# Altium PCB RK_NVR_DEMO1_RK3588_LP4XD200P232SD8_V21_20211228_final_lint.PcbDoc (part 3 of 29) (continued)
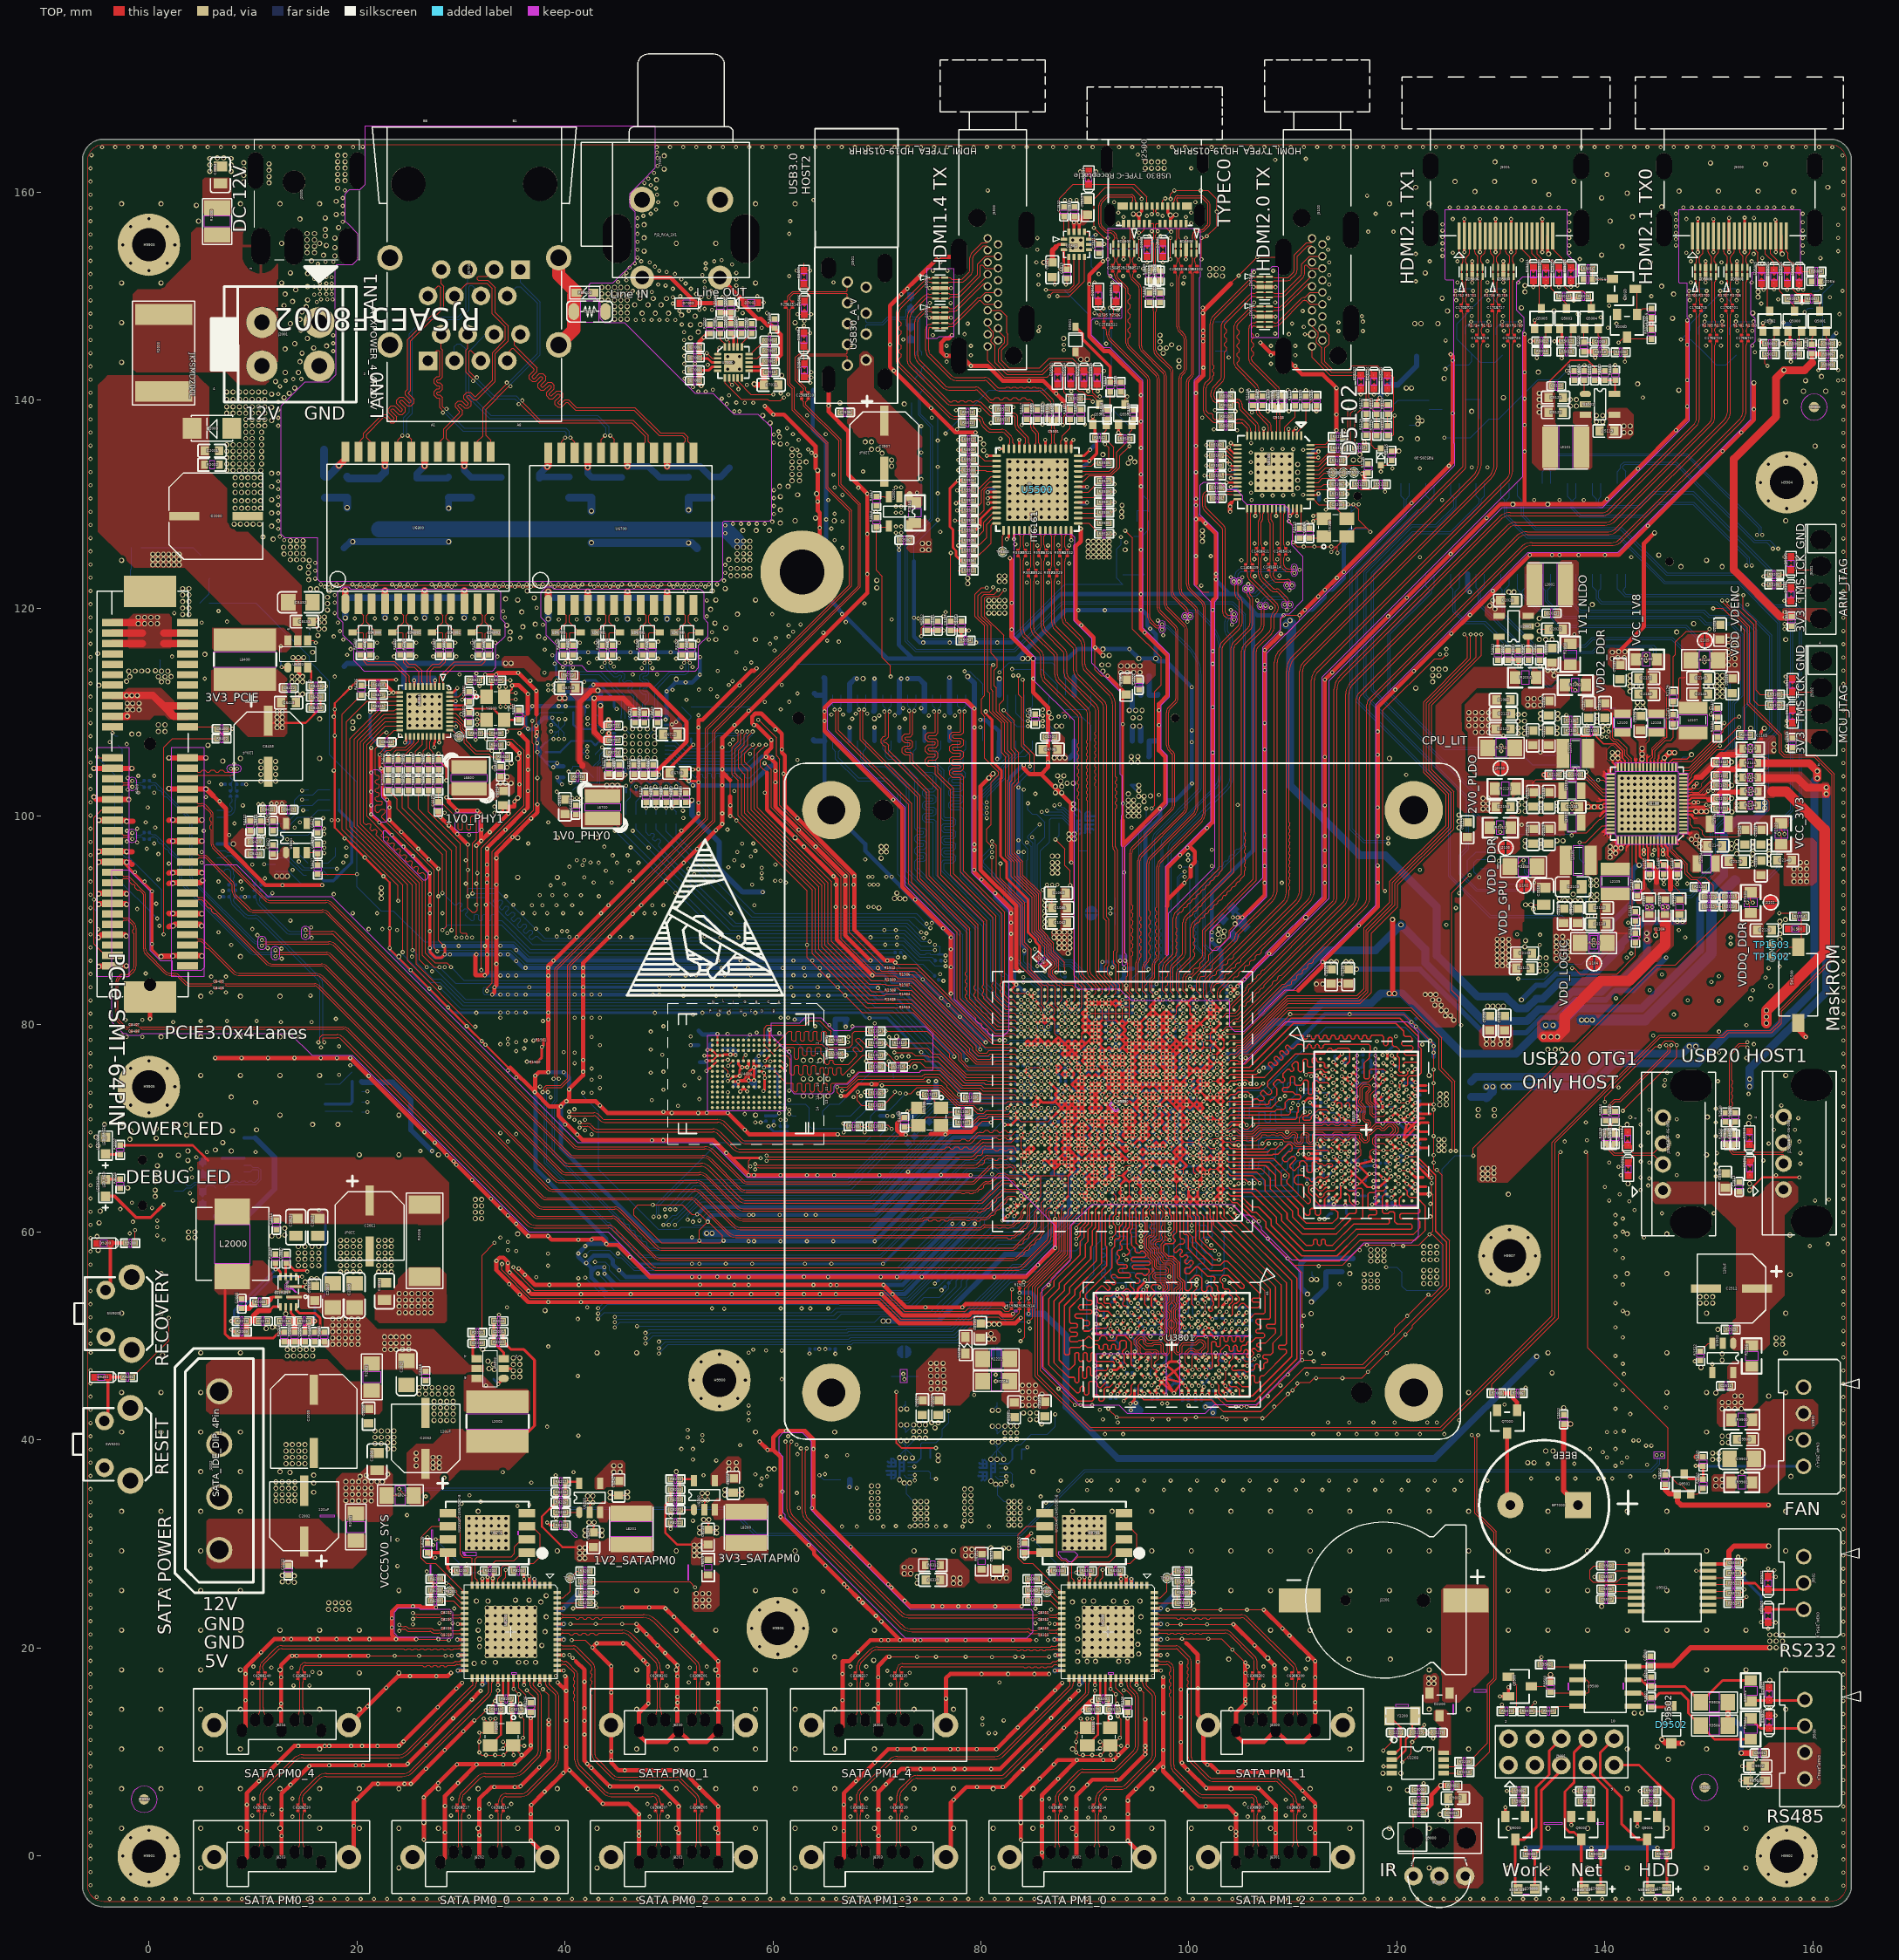
[diagram p0: TOP view]
## Components (designator, comment, footprint, x,y, rotation, side; value= is the part's Value field where it differs from the comment) (continued)
R8300 "RESISTOR_R0402_100K" R0402#1 99.364,25.345 r180 top
R8301 "RESISTOR_R0402_0R" R0402#1 99.364,26.374 r180 top
R8302 "RESISTOR_R0402_4.7K" R0402#1 99.364,27.403 r180 top
R8303 "RESISTOR_R0402_10K" R0402#1 90.187,27.42 r180 top
R8304 "RESISTOR_R0402_10K" R0402#1 92.93,27.42 r180 top
R8305 "RESISTOR_R0402_10K" R0402#1 87.444,27.42 r0 top
R8306 "RESISTOR_R0402_12K" R0402#1 94.124,14.288 r270 top
R8307 "RESISTOR_R0402_1M" R0402#1 91.751,15.092 r180 top
R8308 "RESISTOR_R0402_4.7K" R0402#1 84.951,26.632 r0 top
R8309 "RESISTOR_R0402_4.7K" R0402#1 84.951,25.557 r0 top
R8310 "RESISTOR_R0402_0R" R0402#1 84.951,24.541 r0 top
R8311 "RESISTOR_R0603_0R" R0603 80.068,28.302 r270 top
R8312 "RESISTOR_R0603_0R" R0603 75.379,27.978 r0 top
R8400 "RESISTOR_R0402_22R" R0402#6 85.843,86.094 r225 bottom
R8401 "RESISTOR_R0402_22R" R0402#3 -2.98,107.277 r270 bottom
R8402 "RESISTOR_R0402_22R" R0402#1 6.995,107.455 r0 top
R8403 "RESISTOR_R0402_22R" R0402#3 -4.987,90.361 r270 bottom
R8404 "RESISTOR_R0201_33R" R0201#1 7.843,102.172 r270 bottom
R8405 "RESISTOR_R0201_33R" R0201#1 8.453,102.172 r270 bottom
R8406 "RESISTOR_R0201_49.9R" R0201#2 8.707,103.061 r0 bottom
R8407 "RESISTOR_R0201_49.9R" R0201#2 7.589,103.061 r180 bottom
R8408 "RESISTOR_R0402_10K" R0402#1 17.848,100.563 r180 bottom
R8409 "RESISTOR_R0402_10K" R0402#1 15.821,100.563 r180 bottom
R8410 "RESISTOR_R0402_10K" R0402#1 17.848,102.553 r180 bottom
R8411 "RESISTOR_R0402_10K" R0402#1 15.821,102.553 r180 bottom
R8412 "RESISTOR_R0402_10K" R0402#1 17.848,101.588 r180 bottom
R8413 "RESISTOR_R0402_10K" R0402#1 15.821,101.588 r180 bottom
R8414 "RESISTOR_R0402_22R" R0402#1 15.714,95.498 r180 bottom
R8415 "RESISTOR_R0201_33R" R0201#1 10.786,93.129 r90 bottom
R8416 "RESISTOR_R0201_33R" R0201#1 10.151,93.129 r90 bottom
R8417 "RESISTOR_R0402_10K" R0402#1 15.612,94.319 r180 bottom
R8418 "RESISTOR_R0201_49.9R" R0201#2 9.897,92.24 r180 bottom
R8419 "RESISTOR_R0201_49.9R" R0201#2 11.04,92.24 r0 bottom
R8420 "RESISTOR_R0402_4.7K" R0402#1 17.649,94.319 r180 bottom
R8421 "RESISTOR_R0402_470R" R0402#1 15.612,93.269 r0 bottom
R8422 "RESISTOR_R0402_2.2R" R0402#1 9.729,99.066 r270 top
R8423 "RESISTOR_R0201_33R" R0201#1 8.332,93.129 r90 bottom
R8424 "RESISTOR_R0201_33R" R0201#1 7.697,93.129 r90 bottom
R8425 "RESISTOR_R0201_49.9R" R0201#2 7.443,92.24 r180 bottom
R8426 "RESISTOR_R0201_49.9R" R0201#2 8.586,92.24 r0 bottom
R8427 "RESISTOR_R0402_100K" R0402#1 16.246,94.857 r90 top
R8428 "RESISTOR_R0402_100K" R0402#1 -1.21,124.786 r180 bottom
R8429 "RESISTOR_R0402_10K" R0402#1 14.927,116.574 r0 bottom
R8430 "RESISTOR_R0402_232K" R0402#1 16.056,111.46 r180 top
R8431 "RESISTOR_R0402_DNP" R0402#3 15.435,118.098 r270 bottom
R8432 "RESISTOR_R0402_10K" R0402#1 -1.211,125.805 r0 bottom
R8433 "RESISTOR_R0402_49.9K" R0402#1 16.056,112.493 r0 top
R8434 "RESISTOR_R0402_10K" R0402#1 5.357,120.494 r180 bottom
R8435 "RESISTOR_R0402_51K" R0402#1 5.357,121.542 r180 bottom
R9000 "RESISTOR_R0402_10K" R0402#1 122.112,4.214 r180 top
R9001 "RESISTOR_R0402_22R" R0402#1 122.112,5.313 r180 top
R9002 "RESISTOR_R0402_22R" R0402#1 125.34,6.785 r0 top
R9003 "RESISTOR_R0402_1K" R0402#1 132.802,0.171 r0 top
R9004 "RESISTOR_R0402_1K" R0402#1 145.502,0.171 r0 top
R9005 "RESISTOR_R0402_1K" R0402#1 139.152,0.171 r0 top
R9006 "RESISTOR_R0402_10K" R0402#1 131.741,6.261 r0 top
R9007 "RESISTOR_R0402_10K" R0402#1 144.441,6.261 r0 top
R9008 "RESISTOR_R0402_10K" R0402#1 138.091,6.261 r0 top
R9009 "RESISTOR_R0402_51K" R0402#1 131.741,5.245 r180 top
R9010 "RESISTOR_R0402_51K" R0402#1 144.441,5.245 r180 top
R9011 "RESISTOR_R0402_51K" R0402#1 138.091,5.245 r180 top
R9100 "RESISTOR_R0402_0R" R0402#1 20.007,75.426 r180 bottom
R9101 "RESISTOR_R0402_0R" R0402#1 20.004,71.565 r180 bottom
R9102 "RESISTOR_R0402_0R" R0402#1 20.004,74.473 r180 bottom
R9103 "RESISTOR_R0402_2.2K" R0402#1 -2.752,64.656 r270 top
R9104 "RESISTOR_R0402_22R" R0402#1 6.884,64.259 r180 bottom
R9105 "RESISTOR_R0402_22R" R0402#1 6.884,65.148 r180 bottom
R9106 "RESISTOR_R0402_22R" R0402#1 156.283,122.253 r0 top
R9107 "RESISTOR_R0402_22R" R0402#1 156.283,123.237 r0 top
R9108 "RESISTOR_R0402_22R" R0402#1 156.359,110.664 r0 top
R9109 "RESISTOR_R0402_22R" R0402#1 156.359,111.712 r0 top
R9200 "RESISTOR_R0402_100R" R0402#1 -1.808,58.931 r180 top
R9201 "RESISTOR_R0402_100R" R0402#1 -2.037,46.054 r180 top
R9300 "RESISTOR_R0201_10K" R0201#2 91.838,81.217 r0 bottom
R9301 "RESISTOR_R0402_110K" R0402#3 92.864,81.711 r270 bottom
R9500 "RESISTOR_R0402_10K" R0402#1 134.772,16.24 r270 top
R9501 "RESISTOR_R0402_3.3K" R0402#1 144.442,14.789 r90 top
R9502 "RESISTOR_R0402_22R" R0402#1 134.245,18.421 r0 top
R9503 "RESISTOR_R0805_0R" R0805#1 154.017,15.888 r270 top
R9504 "RESISTOR_R0805_0R" R0805#1 154.017,12.23 r90 top
R9505 "RESISTOR_R1206_60.4R" R1206 150.518,14.787 r0 top
R9506 "RESISTOR_R1206_60.4R" R1206 150.518,12.552 r0 top
R9507 "RESISTOR_R0402_22R" R0402#1 134.601,13.921 r0 top
R9508 "RESISTOR_R0402_3.3K" R0402#1 144.442,16.77 r90 top
R9509 "RESISTOR_R0402_10K" R0402#1 132.534,13.921 r180 top
R9510 "RESISTOR_R0402_51K" R0402#1 130.55,13.921 r180 top
R9511 "RESISTOR_R0402_22R" R0402#1 152.355,27.207 r0 top
R9512 "RESISTOR_R0402_22R" R0402#1 152.355,26.242 r0 top
R9513 "RESISTOR_R0402_22R" R0402#1 152.355,25.277 r0 top
R9514 "RESISTOR_R0402_22R" R0402#1 152.355,24.312 r0 top
R9900 "RESISTOR_R0805_0R" R0805#1 153.16,41.957 r0 top
R9901 "RESISTOR_R0805_0R" R0805#1 153.16,35.937 r0 top
R9902 "RESISTOR_R0402_1K" R0402#1 149.445,35.802 r90 top
R9904 "RESISTOR_R0402_10K" R0402#1 145.787,36.208 r90 top
R9905 "RESISTOR_R0402_10K" R0402#1 149.445,37.935 r270 top
SMTSO9900 "SMTSO_SMTSO_M3_C4R1_C6R0_L5R0_S" SMTSO_M3_C4R1_C6R0_L5R0 62.803,123.477 r180 bottom
SW1500 "KEY_2PIN_SW2_6R00X3R70X2R50_TS-" SW2_6R00X3R70X2R50 158.589,83.795 r180 top
SW9200 "KEY_4PIN_SW4_6R50X7R00X7R10_TS-" SW4_6R50X7R00X7R10 -2.89,52.17 r270 top
SW9201 "KEY_4PIN_SW4_6R50X7R00X7R10_TS-" SW4_6R50X7R00X7R10 -3.017,39.597 r270 top
TP1300 "TP_TP_0R70_TP_0.7" TP_0R70 55.16,75.426 r180 bottom
TP1301 "TP_TP_0R70_TP_0.7" TP_0R70 54.246,75.426 r180 bottom
TP1302 "TP_TP_0R70_TP_0.7" TP_0R70 71.619,74.816 r180 bottom
TP1303 "TP_TP_0R70_TP_0.7" TP_0R70 70.4,74.816 r180 bottom
TP1500 "TP_TP_0R70_TP_0.7" TP_0R70 84.523,100.622 r0 bottom
TP1501 "TP_TP_0R70_TP_0.7" TP_0R70 84.624,101.943 r0 bottom
TP1502 "TP_TP_0R70_TP_0.7" TP_0R70 156.049,86.5 r0 top
TP1503 "TP_TP_0R70_TP_0.7" TP_0R70 156.049,87.618 r0 top
TP5100 "TP_TP_0R70_TP_0.7" TP_0R70 115.87,133.039 r90 top
TP5101 "TP_TP_0R70_TP_0.7" TP_0R70 113.838,132.988 r90 top
TP5102 "TP_TP_0R70_TP_0.7" TP_0R70 114.854,133.001 r90 top
TP5500 "TP_TP_0R70_TP_0.7" TP_0R70 82.084,125.413 r0 top
TP6700 "TP_TP_0R70_TP_0.7" TP_0R70 43.899,104.561 r270 bottom
TP6800 "TP_TP_0R70_TP_0.7" TP_0R70 29.82,107.659 r90 top
TP8200 "TP_TP_0R70_TP_0.7" TP_0R70 40.495,26.732 r270 top
TP8201 "TP_TP_0R70_TP_0.7" TP_0R70 28.938,25.424 r270 top
TP8300 "TP_TP_0R70_TP_0.7" TP_0R70 97.899,26.732 r270 top
TP8301 "TP_TP_0R70_TP_0.7" TP_0R70 86.342,25.424 r270 top
U1000 "SOC_RK3588_BGA1088_23R00X23R00X" BGA1088_23R00X23R00X2R00 93.616,72.581 r180 top
U2000 "MP8759_6_QFN12_2R00X3R00X1R00_M" QFN12_2R00X3R00X1R00 13.404,54.267 r180 top
U2001 "DCDC_SY8088_SOT_23_5_ETA3409/SY" SOT_23_5#1 131.233,118.254 r180 top
U2002 "DCDC_SY8113_SOT_23_6_SY8113B/SM" SOT_23_6 32.745,46.876 r180 top
U2100 "PMIC_RK806_QFN68_7R00X7R00X0R80" QFN68_7R00X7R00X0R80_T 144.038,101.203 r180 top
U2200 "DCDC_RK860_WLCSP20_1R65X2R05X0R" WLCSP20_1R65X2R05X0R63 80.973,37.122 r270 bottom
U2201 "DCDC_RK860_WLCSP20_1R65X2R05X_1" WLCSP20_1R65X2R05X0R63 72.184,37.249 r270 bottom
U2202 "DCDC_RK860_WLCSP20_1R65X2R05X0R" WLCSP20_1R65X2R05X0R63 89.647,99.378 r90 bottom
U2203 "RTC_HYM8563_TSSOP8_3R10X3R10X1R" TSSOP8_3R10X3R10X1R10 122.005,8.953 r0 top
U2500 "SWITCH_SY6280_SOT_23_5_SY6280AA" SOT_23_5#2 101.558,146.148 r90 bottom
U2501 "SWITCH_SY6280_SOT_23_5_SY6280AA" SOT_23_5#1 72.143,129.296 r270 top
U2502 "SWITCH_SY6280_SOT_23_5_SY6280AA" SOT_23_5#1 151.332,47.9 r270 top
U2503 "USB_FUSB302B_MLP14_2R50X2R50X0R" MLP14_2R50X2R50X0R80 89.196,154.978 r0 top
U3800 "LPDDR4_200P_BGA200_15R00X10R00X" BGA200_15R00X10R00X0R90#1 117.041,69.831 r0 top
U3801 "LPDDR4_200P_BGA200_15R00X10R00X" BGA200_15R00X10R00X0R90#2 98.346,49.156 r270 top
U4000 "INAND_EMMC_153_2L_BGA153_13RX11" BGA153_13RX11R5X0R9_2L 57.418,75.219 r270 top
U4300 "SPI_FLASH_8PIN_T_0_WSON8_8R00X6" WSON8_8R00X6R00X0R80_T 64.152,74.994 r180 bottom
U4700 "61082-08_CNN80M_0R80_61082_6108" CNN80M_0R80_61082 80.551,109.436 r180 bottom
U5100 "IT6563FN_QFN56_7R00X7R00X0R90_T" QFN56_7R00X7R00X0R90_T 108.188,133.081 r270 top
U5101 "DCDC_SY8088_SOT_23_5_ETA3409/SY" SOT_23_5#1 139.518,139.594 r0 top
U5500 "IT6161_QFN56_8R00X8R00X0R90_T_I" QFN56_8R00X8R00X0R90_T 85.437,131.407 r90 top
U5501 "DCDC_SY8088_SOT_23_5_ETA3409/SY" SOT_23_5#1 76.575,118.691 r0 bottom
U6700 "ETHERNET_H5007_SOIC24_17R53X12R" SOIC24_17R53X12R20X5R51 45.382,127.62 r0 top
U6701 "ETHERNET_RTL8211F_QFN40_5R00X5R" QFN40_5R00X5R00X0R90_T#1 47.21,106.972 r90 bottom
U6800 "ETHERNET_H5007_SOIC24_17R53X12R" SOIC24_17R53X12R20X5R51 25.875,127.721 r0 top
U6801 "ETHERNET_RTL8211F_QFN40_5R00X5R" QFN40_5R00X5R00X0R90_T#2 26.509,110.071 r270 top
U7000 "CODEC_ES8316_1_QFN20_3R00X3R00X" QFN20_3R00X3R00X0R55_T 56.202,143.625 r0 top
U8200 "JMB575_QFN64_9R00X9R00X0R90_T_J" QFN64_9R00X9R00X0R90_T 34.815,21.578 r270 top
U8201 "SPI_FLASH_8PIN_T_0_WSON8_8R00_1" WSON8_8R00X6R00X0R80_T 32.538,31.084 r90 top
U8202 "DCDC_SY8088_SOT_23_5_ETA3409/SY" SOT_23_5#1 53.411,34.709 r90 top
U8203 "DCDC_SY8088_SOT_23_5_ETA3409/SY" SOT_23_5#1 42.388,34.455 r90 top
U8300 "JMB575_QFN64_9R00X9R00X0R90_T_J" QFN64_9R00X9R00X0R90_T 92.219,21.578 r270 top
U8301 "SPI_FLASH_8PIN_T_0_WSON8_8R00_1" WSON8_8R00X6R00X0R80_T 89.942,31.084 r90 top
U8400 "PI6C557-05BLE_0_TSSOP20_6R50X4R" TSSOP20_6R50X4R40X1R20 9.364,97.653 r180 bottom
U8401 "LDO_PT5108_SOT_23_5_PT5108E23E-" SOT_23_5#1 14.181,97.904 r90 top
U8402 "DCDC_SY8113_SOT_23_6_SY8113B/SM" SOT_23_6 14.316,115.652 r90 top
U9100 "INTERFACE_FT232RL_SSOP28_10R20X" SSOP28_10R20X5R30X2R00 13.059,70.032 r90 bottom
U9500 "MAX3485_0_SOP8_4R00X5R00X1R75_S" SOP8_4R00X5R00X1R75 140.033,16.318 r270 top
U9501 "MAX3232/SIT3232E_SSOP16_5R60X6R" SSOP16_5R60X6R50X2R00 146.458,25.809 r0 top
U9900 "CON4_0_CN4M_2R54_V_P_DIP_CN4M_2" CN4M_2R54_V_P_DIP 159.668,41.288 r270 top
Y1100 "CRYSTAL_4P_CRY4_3R20X2R50X0R80_" CRY4_3R20X2R50X0R80#1 75.074,71.108 r180 top
Y2200 "CRYSTAL_2P_CRY2_3R20X1R50X0R90_" CRY2_3R20X1R50X0R90 120.523,13.464 r180 top
Y5100 "CRYSTAL_4P_CRY4_3R20X2R50X0R8_1" CRY4_3R20X2R50X0R80#1 114.088,127.75 r0 top
Y6700 "CRYSTAL_4P_CRY4_3R20X2R50X0R8_2" CRY4_3R20X2R50X0R80#2 40.4,107.272 r90 bottom
Y6800 "CRYSTAL_4P_CRY4_3R20X2R50X0R8_2" CRY4_3R20X2R50X0R80#1 33.318,110.371 r270 top
Y8200 "CRYSTAL_4P_CRY4_3R20X2R50X0R8_2" CRY4_3R20X2R50X0R80#1 33.926,11.494 r180 top
Y8300 "CRYSTAL_4P_CRY4_3R20X2R50X0R8_2" CRY4_3R20X2R50X0R80#1 91.33,11.494 r180 top
Y8400 "CRYSTAL_4P_CRY4_3R20X2R50X0R8_2" CRY4_3R20X2R50X0R80#1 16.853,97.805 r0 bottom

## Footprints (in the part's own frame and the unit in brackets; to place one, negate y for a bottom-side part, rotate by r counter-clockwise, add the part's x,y. Pads: shape width x height; smd on the part's side, far side on the other; paste and mask are expansions set on the pad)
BA301N#1 [mm] "BA301N"
  rect 1x3.2 smd: 1(2.25,0) 2(-2.25,0)
  TOP keep-out region: 1.651,-1.651 1.651,1.651 -1.651,1.651 -1.651,-1.651
  silkscreen extent -1.65,-1.6 1.65,1.6, body extent -2.8,-1.66 2.8,1.66, height 3.81
BA301N#2 [mm] "BA301N"
  rect 1x3.2 smd: 1(-2.25,0) 2(2.25,0)
  TOP keep-out region: -1.651,1.651 -1.651,-1.651 1.651,-1.651 1.651,1.651
  silkscreen extent -1.65,-1.6 1.65,1.6, body extent -2.8,-1.66 2.8,1.66, height 3.81
BAT_CR1220 [mm] "BAT_CR1220"
  rect 4.35x2.3 smd: 1(-7.718,0.063)
  rect 4.04x2.3 smd: 2(8.247,0.064)
  round 1.3 hole 1.3 unplated: ""(-3.653,0.063)
  round 1 hole 1 unplated: ""(3.847,0.064)
  silkscreen extent -9.47,-7.46 9.46,7.55, body extent -7.78,-7.57 7.78,7.57, height 3.81
BEEP_650 [mm] "BEEP_650"
  rect 2.54x2.54 / inner round 0 / far side rect 2.54x2.54 hole 0.9: 1(-3.25,0)
  round 2.54 hole 0.9: 2(3.25,0)
  silkscreen extent -8.96,-6.25 6.25,6.25, body extent -6.26,-6.26 6.26,6.26, height 3.81
BGA153_13RX11R5X0R9_2L [mm] "BGA153_13RX11R5X0R9_2L"
  round 0.3 smd: A2(-2.75,3.25) A3(-2.25,3.25) A4(-1.75,3.25) A5(-1.25,3.25) A6(-0.75,3.25) A7(-0.25,3.25) A8(0.25,3.25) A9(0.75,3.25) A10(1.25,3.25) A11(1.75,3.25) A12(2.25,3.25) A13(2.75,3.25) A14(3.25,3.25) B1(-3.25,2.75) B2(-2.75,2.75) B3(-2.25,2.75) B4(-1.75,2.75) B5(-1.25,2.75) B6(-0.75,2.75) B7(-0.25,2.75) B8(0.25,2.75) B9(0.75,2.75) B10(1.25,2.75) B11(1.75,2.75) B12(2.25,2.75) B13(2.75,2.75) B14(3.25,2.75) C1(-3.25,2.25) C2(-2.75,2.25) C3(-2.25,2.25) C4(-1.75,2.25) C6(-0.75,2.25) C7(-0.25,2.25) C8(0.25,2.25) C9(0.75,2.25) C10(1.25,2.25) C11(1.75,2.25) C12(2.25,2.25) C13(2.75,2.25) C14(3.25,2.25) D1(-3.25,1.75) D2(-2.75,1.75) D3(-2.25,1.75) D4(-1.75,1.75) D12(2.25,1.75) D13(2.75,1.75) D14(3.25,1.75) E1(-3.25,1.25) E2(-2.75,1.25) E3(-2.25,1.25) E5(-1.25,1.25) E6(-0.75,1.25) E7(-0.25,1.25) E8(0.25,1.25) E9(0.75,1.25) E10(1.25,1.25) E12(2.25,1.25) E13(2.75,1.25) E14(3.25,1.25) F1(-3.25,0.75) F2(-2.75,0.75) F3(-2.25,0.75) F5(-1.25,0.75) F10(1.25,0.75) F12(2.25,0.75) F13(2.75,0.75) F14(3.25,0.75) G1(-3.25,0.25) G2(-2.75,0.25) G3(-2.25,0.25) G5(-1.25,0.25) G10(1.25,0.25) G12(2.25,0.25) G13(2.75,0.25) G14(3.25,0.25) H1(-3.25,-0.25) H2(-2.75,-0.25) H3(-2.25,-0.25) H5(-1.25,-0.25) H10(1.25,-0.25) H12(2.25,-0.25) H13(2.75,-0.25) H14(3.25,-0.25) J1(-3.25,-0.75) J2(-2.75,-0.75) J3(-2.25,-0.75) J5(-1.25,-0.75) J10(1.25,-0.75) J12(2.25,-0.75) J13(2.75,-0.75) J14(3.25,-0.75) K1(-3.25,-1.25) K2(-2.75,-1.25) K3(-2.25,-1.25) K5(-1.25,-1.25) K6(-0.75,-1.25) K7(-0.25,-1.25) K8(0.25,-1.25) K9(0.75,-1.25) K10(1.25,-1.25) K12(2.25,-1.25) K13(2.75,-1.25) K14(3.25,-1.25) L1(-3.25,-1.75) L2(-2.75,-1.75) L3(-2.25,-1.75) L12(2.25,-1.75) L13(2.75,-1.75) L14(3.25,-1.75) M1(-3.25,-2.25) M2(-2.75,-2.25) M3(-2.25,-2.25) M4(-1.75,-2.25) M5(-1.25,-2.25) M6(-0.75,-2.25) M7(-0.25,-2.25) M8(0.25,-2.25) M9(0.75,-2.25) M10(1.25,-2.25) M11(1.75,-2.25) M12(2.25,-2.25) M13(2.75,-2.25) M14(3.25,-2.25) N1(-3.25,-2.75) N2(-2.75,-2.75) N3(-2.25,-2.75) N4(-1.75,-2.75) N5(-1.25,-2.75) N6(-0.75,-2.75) N7(-0.25,-2.75) N8(0.25,-2.75) N9(0.75,-2.75) N10(1.25,-2.75) N11(1.75,-2.75) N12(2.25,-2.75) N13(2.75,-2.75) N14(3.25,-2.75) P1(-3.25,-3.25) P2(-2.75,-3.25) P3(-2.25,-3.25) P4(-1.75,-3.25) P5(-1.25,-3.25) P6(-0.75,-3.25) P7(-0.25,-3.25) P8(0.25,-3.25) P9(0.75,-3.25) P10(1.25,-3.25) P11(1.75,-3.25) P12(2.25,-3.25) P13(2.75,-3.25) P14(3.25,-3.25)
  TOP keep-out region: -3.687,3.8 -3.687,-3.75 3.552,-3.75 3.552,3.8
  silkscreen extent -6.76,-7.5 6.76,7.5, body extent -5.81,-6.56 5.81,6.56, height 3.81
BGA200_15R00X10R00X0R90#1 [mm] "BGA200_15R00X10R00X0R90"
  round 0.3 smd: A1(-4.4,6.825) A2(-3.6,6.825) A3(-2.8,6.825) A4(-2,6.825) A5(-1.2,6.825) A8(1.2,6.825) A9(2,6.825) A10(2.8,6.825) A11(3.6,6.825) A12(4.4,6.825) AA1(-4.4,-6.175) AA2(-3.6,-6.175) AA3(-2.8,-6.175) AA4(-2,-6.175) AA5(-1.2,-6.175) AA8(1.2,-6.175) AA9(2,-6.175) AA10(2.8,-6.175) AA11(3.6,-6.175) AA12(4.4,-6.175) AB1(-4.4,-6.825) AB2(-3.6,-6.825) AB3(-2.8,-6.825) AB4(-2,-6.825) AB5(-1.2,-6.825) AB8(1.2,-6.825) AB9(2,-6.825) AB10(2.8,-6.825) AB11(3.6,-6.825) AB12(4.4,-6.825) B1(-4.4,6.175) B2(-3.6,6.175) B3(-2.8,6.175) B4(-2,6.175) B5(-1.2,6.175) B8(1.2,6.175) B9(2,6.175) B10(2.8,6.175) B11(3.6,6.175) B12(4.4,6.175) C1(-4.4,5.525) C2(-3.6,5.525) C3(-2.8,5.525) C4(-2,5.525) C5(-1.2,5.525) C8(1.2,5.525) C9(2,5.525) C10(2.8,5.525) C11(3.6,5.525) C12(4.4,5.525) D1(-4.4,4.875) D2(-3.6,4.875) D3(-2.8,4.875) D4(-2,4.875) D5(-1.2,4.875) D8(1.2,4.875) D9(2,4.875) D10(2.8,4.875) D11(3.6,4.875) D12(4.4,4.875) E1(-4.4,4.225) E2(-3.6,4.225) E3(-2.8,4.225) E4(-2,4.225) E5(-1.2,4.225) E8(1.2,4.225) E9(2,4.225) E10(2.8,4.225) E11(3.6,4.225) E12(4.4,4.225) F1(-4.4,3.575) F2(-3.6,3.575) F3(-2.8,3.575) F4(-2,3.575) F5(-1.2,3.575) F8(1.2,3.575) F9(2,3.575) F10(2.8,3.575) F11(3.6,3.575) F12(4.4,3.575) G1(-4.4,2.925) G2(-3.6,2.925) G3(-2.8,2.925) G4(-2,2.925) G5(-1.2,2.925) G8(1.2,2.925) G9(2,2.925) G10(2.8,2.925) G11(3.6,2.925) G12(4.4,2.925) H1(-4.4,2.275) H2(-3.6,2.275) H3(-2.8,2.275) H4(-2,2.275) H5(-1.2,2.275) H8(1.2,2.275) H9(2,2.275) H10(2.8,2.275) H11(3.6,2.275) H12(4.4,2.275) J1(-4.4,1.625) J2(-3.6,1.625) J3(-2.8,1.625) J4(-2,1.625) J5(-1.2,1.625) J8(1.2,1.625) J9(2,1.625) J10(2.8,1.625) J11(3.6,1.625) J12(4.4,1.625) K1(-4.4,0.975) K2(-3.6,0.975) K3(-2.8,0.975) K4(-2,0.975) K5(-1.2,0.975) K8(1.2,0.975) K9(2,0.975) K10(2.8,0.975) K11(3.6,0.975) K12(4.4,0.975) N1(-4.4,-0.975) N2(-3.6,-0.975) N3(-2.8,-0.975) N4(-2,-0.975) N5(-1.2,-0.975) N8(1.2,-0.975) N9(2,-0.975) N10(2.8,-0.975) N11(3.6,-0.975) N12(4.4,-0.975) P1(-4.4,-1.625) P2(-3.6,-1.625) P3(-2.8,-1.625) P4(-2,-1.625) P5(-1.2,-1.625) P8(1.2,-1.625) P9(2,-1.625) P10(2.8,-1.625) P11(3.6,-1.625) P12(4.4,-1.625) R1(-4.4,-2.275) R2(-3.6,-2.275) R3(-2.8,-2.275) R4(-2,-2.275) R5(-1.2,-2.275) R8(1.2,-2.275) R9(2,-2.275) R10(2.8,-2.275) R11(3.6,-2.275) R12(4.4,-2.275) T1(-4.4,-2.925) T2(-3.6,-2.925) T3(-2.8,-2.925) T4(-2,-2.925) T5(-1.2,-2.925) T8(1.2,-2.925) T9(2,-2.925) T10(2.8,-2.925) T11(3.6,-2.925) T12(4.4,-2.925) U1(-4.4,-3.575) U2(-3.6,-3.575) U3(-2.8,-3.575) U4(-2,-3.575) U5(-1.2,-3.575) U8(1.2,-3.575) U9(2,-3.575) U10(2.8,-3.575) U11(3.6,-3.575) U12(4.4,-3.575) V1(-4.4,-4.225) V2(-3.6,-4.225) V3(-2.8,-4.225) V4(-2,-4.225) V5(-1.2,-4.225) V8(1.2,-4.225) V9(2,-4.225) V10(2.8,-4.225) V11(3.6,-4.225) V12(4.4,-4.225) W1(-4.4,-4.875) W2(-3.6,-4.875) W3(-2.8,-4.875) W4(-2,-4.875) W5(-1.2,-4.875) W8(1.2,-4.875) W9(2,-4.875) W10(2.8,-4.875) W11(3.6,-4.875) W12(4.4,-4.875) Y1(-4.4,-5.525) Y2(-3.6,-5.525) Y3(-2.8,-5.525) Y4(-2,-5.525) Y5(-1.2,-5.525) Y8(1.2,-5.525) Y9(2,-5.525) Y10(2.8,-5.525) Y11(3.6,-5.525) Y12(4.4,-5.525)
  TOP lines w0.127: 1.65,-3.875 2,-4.225 ; 2,-3.575 2.325,-3.9
  TOP lines w0.254: -6.026,-2.331 -6.026,-2.458 -5.721,-2.763 -4.563,-2.763 -4.4,-2.925 ; -5.518,-2.331 -5.462,-2.275 -4.4,-2.275 ; -5.391,2.622 -5.044,2.275 -4.4,2.275 ; -4.75,5.225 -4.4,4.875 ; -4.728,1.304 -4.4,0.975 ; -4.725,-5.2 -4.4,-4.875 ; -4.4,-0.975 -4.027,-1.348 ; -3.994,-5.125 -3.744,-4.875 -3.6,-4.875 ; -3.925,1.3 -3.6,0.975 ; -3.202,-6.602 -3.202,-6.577 -2.8,-6.175 ; -3.173,-1.348 -2.8,-0.975 ; -3.156,-3.905 -3.13,-3.905 -2.8,-3.575 ; -3.125,1.296 -3.1,1.271 -3.095,1.271 -2.8,0.975 ; -3.118,-7.143 -2.8,-6.825 ; -2.8,-2.925 -2.424,-3.301 -2.424,-3.326 ; -2.367,-1.342 -2,-0.975 ; -2.35,-5.225 -2,-4.875 ; -2.35,1.3 -2.325,1.3 -2,0.975 ; -2,-2.925 -1.605,-3.32 ; -1.525,-5.2 -1.2,-4.875 ; -1.525,3.9 -1.2,3.575 ; -1.2,-3.575 -0.869,-3.906 ; -1.2,6.175 -0.82,5.796 ; 0.705,-4.926 0.756,-4.875 1.2,-4.875 ; 0.807,-3.474 1.099,-3.474 1.2,-3.575 ; 1.2,4.225 1.608,4.633 ; 1.594,0.59 1.615,0.59 2,0.975 ; 1.975,-7.538 1.975,-7.411 2,-7.386 2,-6.825 ; 2,-2.925 2.325,-3.25 ; 2,-0.975 2.259,-1.234 2.335,-1.234 ; 2,2.925 2.274,3.199 2.298,3.199 2.394,3.295 2.42,3.295 ; 2,6.825 2.025,6.85 2.025,7.448 ; 2.391,1.216 2.8,1.625 ; 2.8,-3.575 3.099,-3.276 ; 2.8,0.975 3.088,0.687 ; 2.8,2.925 2.876,2.925 3.064,2.737 3.182,2.737 ; 2.8,3.575 3.118,3.257 3.144,3.257 ; 3.6,-4.875 3.925,-5.2 ; 3.6,-0.975 3.925,-1.3 ; 3.6,0.975 3.925,1.3 4.026,1.3 ; 4.077,3.25 4.077,3.248 4.4,2.925 ; 4.4,-5.525 4.725,-5.85 ; 4.4,-4.875 4.725,-5.2 ; 4.4,-3.575 4.725,-3.9 4.75,-3.9 ; 4.4,-2.925 4.618,-3.144 4.725,-3.25 ; 4.4,-2.275 4.684,-1.991 ; 4.4,-1.625 4.74,-1.285 ; 4.4,-0.975 4.732,-0.643 ; 4.4,0.975 4.725,1.3 ; 4.4,1.625 4.725,1.95 ; 4.4,2.275 4.725,2.6
  TOP keep-out region: 0.889,-0.508 0.889,-7.239 4.953,-7.239 4.953,-0.508
  TOP keep-out region: -5.08,-0.508 -5.08,-7.239 -1.016,-7.239 -1.016,-0.508
  TOP keep-out region: 0.889,7.493 0.889,0.762 4.953,0.762 4.953,7.493
  TOP keep-out region: -4.953,7.493 -4.953,0.762 -0.889,0.762 -0.889,7.493
  silkscreen extent -7.37,-8.5 6,9.91, body extent -5.08,-7.62 5.08,7.62, height 3.81
BGA200_15R00X10R00X0R90#2 [mm] "BGA200_15R00X10R00X0R90"
  round 0.3 smd: A1(-4.4,6.825) A2(-3.6,6.825) A3(-2.8,6.825) A4(-2,6.825) A5(-1.2,6.825) A8(1.2,6.825) A9(2,6.825) A10(2.8,6.825) A11(3.6,6.825) A12(4.4,6.825) AA1(-4.4,-6.175) AA2(-3.6,-6.175) AA3(-2.8,-6.175) AA4(-2,-6.175) AA5(-1.2,-6.175) AA8(1.2,-6.175) AA9(2,-6.175) AA10(2.8,-6.175) AA11(3.6,-6.175) AA12(4.4,-6.175) AB1(-4.4,-6.825) AB2(-3.6,-6.825) AB3(-2.8,-6.825) AB4(-2,-6.825) AB5(-1.2,-6.825) AB8(1.2,-6.825) AB9(2,-6.825) AB10(2.8,-6.825) AB11(3.6,-6.825) AB12(4.4,-6.825) B1(-4.4,6.175) B2(-3.6,6.175) B3(-2.8,6.175) B4(-2,6.175) B5(-1.2,6.175) B8(1.2,6.175) B9(2,6.175) B10(2.8,6.175) B11(3.6,6.175) B12(4.4,6.175) C1(-4.4,5.525) C2(-3.6,5.525) C3(-2.8,5.525) C4(-2,5.525) C5(-1.2,5.525) C8(1.2,5.525) C9(2,5.525) C10(2.8,5.525) C11(3.6,5.525) C12(4.4,5.525) D1(-4.4,4.875) D2(-3.6,4.875) D3(-2.8,4.875) D4(-2,4.875) D5(-1.2,4.875) D8(1.2,4.875) D9(2,4.875) D10(2.8,4.875) D11(3.6,4.875) D12(4.4,4.875) E1(-4.4,4.225) E2(-3.6,4.225) E3(-2.8,4.225) E4(-2,4.225) E5(-1.2,4.225) E8(1.2,4.225) E9(2,4.225) E10(2.8,4.225) E11(3.6,4.225) E12(4.4,4.225) F1(-4.4,3.575) F2(-3.6,3.575) F3(-2.8,3.575) F4(-2,3.575) F5(-1.2,3.575) F8(1.2,3.575) F9(2,3.575) F10(2.8,3.575) F11(3.6,3.575) F12(4.4,3.575) G1(-4.4,2.925) G2(-3.6,2.925) G3(-2.8,2.925) G4(-2,2.925) G5(-1.2,2.925) G8(1.2,2.925) G9(2,2.925) G10(2.8,2.925) G11(3.6,2.925) G12(4.4,2.925) H1(-4.4,2.275) H2(-3.6,2.275) H3(-2.8,2.275) H4(-2,2.275) H5(-1.2,2.275) H8(1.2,2.275) H9(2,2.275) H10(2.8,2.275) H11(3.6,2.275) H12(4.4,2.275) J1(-4.4,1.625) J2(-3.6,1.625) J3(-2.8,1.625) J4(-2,1.625) J5(-1.2,1.625) J8(1.2,1.625) J9(2,1.625) J10(2.8,1.625) J11(3.6,1.625) J12(4.4,1.625) K1(-4.4,0.975) K2(-3.6,0.975) K3(-2.8,0.975) K4(-2,0.975) K5(-1.2,0.975) K8(1.2,0.975) K9(2,0.975) K10(2.8,0.975) K11(3.6,0.975) K12(4.4,0.975) N1(-4.4,-0.975) N2(-3.6,-0.975) N3(-2.8,-0.975) N4(-2,-0.975) N5(-1.2,-0.975) N8(1.2,-0.975) N9(2,-0.975) N10(2.8,-0.975) N11(3.6,-0.975) N12(4.4,-0.975) P1(-4.4,-1.625) P2(-3.6,-1.625) P3(-2.8,-1.625) P4(-2,-1.625) P5(-1.2,-1.625) P8(1.2,-1.625) P9(2,-1.625) P10(2.8,-1.625) P11(3.6,-1.625) P12(4.4,-1.625) R1(-4.4,-2.275) R2(-3.6,-2.275) R3(-2.8,-2.275) R4(-2,-2.275) R5(-1.2,-2.275) R8(1.2,-2.275) R9(2,-2.275) R10(2.8,-2.275) R11(3.6,-2.275) R12(4.4,-2.275) T1(-4.4,-2.925) T2(-3.6,-2.925) T3(-2.8,-2.925) T4(-2,-2.925) T5(-1.2,-2.925) T8(1.2,-2.925) T9(2,-2.925) T10(2.8,-2.925) T11(3.6,-2.925) T12(4.4,-2.925) U1(-4.4,-3.575) U2(-3.6,-3.575) U3(-2.8,-3.575) U4(-2,-3.575) U5(-1.2,-3.575) U8(1.2,-3.575) U9(2,-3.575) U10(2.8,-3.575) U11(3.6,-3.575) U12(4.4,-3.575) V1(-4.4,-4.225) V2(-3.6,-4.225) V3(-2.8,-4.225) V4(-2,-4.225) V5(-1.2,-4.225) V8(1.2,-4.225) V9(2,-4.225) V10(2.8,-4.225) V11(3.6,-4.225) V12(4.4,-4.225) W1(-4.4,-4.875) W2(-3.6,-4.875) W3(-2.8,-4.875) W4(-2,-4.875) W5(-1.2,-4.875) W8(1.2,-4.875) W9(2,-4.875) W10(2.8,-4.875) W11(3.6,-4.875) W12(4.4,-4.875) Y1(-4.4,-5.525) Y2(-3.6,-5.525) Y3(-2.8,-5.525) Y4(-2,-5.525) Y5(-1.2,-5.525) Y8(1.2,-5.525) Y9(2,-5.525) Y10(2.8,-5.525) Y11(3.6,-5.525) Y12(4.4,-5.525)
  TOP lines w0.254: -1.073,-7.524 -1.073,-6.952 -1.2,-6.825 ; 2,-7.397 2,-6.825 ; -2,-7.27 -2,-6.825 ; -3,-7.224 -2.8,-7.024 -2.8,-6.825 ; 3.125,-7.15 2.8,-6.825 ; 1.2,-6.825 0.858,-6.483 ; -2.418,-6.583 -2.418,-6.558 -2.8,-6.175 ; 3.15,-6.525 2.8,-6.175 ; 1.2,-6.175 0.865,-5.84 ; -1.2,-6.175 -0.795,-5.77 ; -1.548,-5.873 -1.2,-5.525 ; 4.725,-5.85 4.4,-5.525 ; 1.2,-5.525 1.54,-5.185 ; -1.572,-5.247 -1.2,-4.875 ; -4.76,-5.235 -4.4,-4.875 ; 4.725,-5.2 4.4,-4.875 ; -3.925,-5.2 -3.6,-4.875 ; 0.898,-5.177 1.2,-4.875 ; -2,-4.875 -2.269,-4.606 -2.345,-4.606 ; 4.725,-4.548 4.723,-4.548 4.4,-4.225 ; -4.943,-4.34 -4.841,-4.239 -4.414,-4.239 -4.4,-4.225 ; 0.76,-4.277 0.812,-4.225 1.2,-4.225 ; -1.2,-4.225 -1.314,-4.225 -1.568,-3.971 -1.568,-3.967 ; 5.658,-3.968 5.265,-3.575 4.4,-3.575 ; -0.827,-3.948 -1.2,-3.575 ; -3.111,-3.861 -2.825,-3.575 -2.8,-3.575 ; 1.2,-3.575 0.668,-3.575 0.645,-3.552 ; -4.4,-3.575 -4.694,-3.281 -5.161,-3.281 -5.185,-3.257 -5.365,-3.257 -6.051,-2.571 -6.254,-2.571 ; 1.601,-3.326 1.2,-2.925 ; -1.586,-3.326 -1.599,-3.326 -2,-2.925 ; -2.394,-3.308 -2.417,-3.308 -2.8,-2.925 ; 4.4,-2.925 4.698,-2.627 ; 2.8,-2.925 3.136,-2.589 ; -1.2,-2.925 -1.567,-2.558 ; -4.4,-2.925 -5.037,-2.925 -5.238,-2.724 -5.289,-2.724 ; 1.569,-2.432 1.412,-2.275 1.2,-2.275 ; 4.4,-2.275 4.775,-1.9 4.775,-1.881 ; -1.2,-2.275 -1.049,-2.275 -0.815,-2.042 ; -4.4,-2.275 -4.697,-2.275 -4.807,-2.165 -4.832,-2.165 ; 4.4,-1.625 4.086,-1.311 4.08,-1.311 ; 3.259,-1.316 3.6,-0.975 ; -2.347,-1.31 -2.322,-1.284 -2.309,-1.284 -2,-0.975 ; 2.325,-1.3 2,-0.975 ; -3.116,-1.291 -2.8,-0.975 ; -4.015,-1.28 -3.711,-0.975 -3.6,-0.975 ; -4.756,-1.174 -4.557,-0.975 -4.4,-0.975 ; 4.4,-0.975 4.769,-0.606 4.769,-0.539 ; 2.8,-0.975 2.466,-0.641 ; 4.823,0.975 4.4,0.975 ; 3.6,0.975 3.925,1.3 ; 2.8,0.975 3.125,1.3 ; 2,0.975 2.325,1.3 ; -2,0.975 -1.722,1.253 -1.671,1.253 ; -2.8,0.975 -2.783,0.975 -2.537,1.221 -2.484,1.221 ; -3.6,0.975 -3.731,0.975 -4.016,1.26 ; -4.4,0.975 -4.684,1.259 ; 4.823,1.625 4.4,1.625 ; -2.8,1.625 -2.518,1.907 -2.518,1.929 ; -0.819,2.001 -1.093,2.275 -1.2,2.275 ; 4.823,2.275 4.4,2.275 ; 1.2,2.275 1.525,2.6 ; -4.4,2.275 -4.776,2.275 -4.883,2.382 ; -1.658,2.583 -2,2.925 ; 3.104,2.621 2.8,2.925 ; 4.823,2.925 4.4,2.925 ; 2,2.925 2.376,3.301 ; 1.2,2.925 0.907,3.218 ; -1.2,2.925 -0.849,3.276 -0.799,3.276 ; -2.8,2.925 -3.074,3.199 -3.1,3.199 ; -4.4,2.925 -4.088,3.237 ; -4.73,3.245 -4.4,3.575 ; 3.111,3.264 2.8,3.575 ; 1.486,3.289 1.2,3.575 ; 4.823,3.444 4.693,3.575 4.4,3.575 ; -1.2,3.575 -0.692,4.083 -0.692,4.287 ; -2.8,3.575 -2.47,3.906 ; -1.576,3.875 -1.55,3.875 -1.2,4.225 ; -4.854,4.181 -4.81,4.225 -4.4,4.225 ; 4.4,4.225 4.798,4.225 4.83,4.257 4.9,4.257 4.925,4.283 ; 1.2,4.225 0.759,4.225 ; 4.4,4.875 4.725,5.2 ; 2,4.875 2.325,5.2 ; 1.2,4.875 1.525,5.2 ; -1.2,4.875 -1.525,5.2 ; -2,4.875 -2.325,5.2 ; -3.6,4.875 -3.75,4.875 -4.114,5.239 ; -4.4,4.875 -4.709,4.875 -5.01,5.176 ; 0.803,5.128 1.2,5.525 ; 4.4,5.525 4.725,5.85 ; -1.2,5.525 -1.456,5.781 -1.577,5.781 ; 2.8,6.175 3.176,6.551 3.176,6.576 ; 1.2,6.175 1.525,6.5 ; -1.2,6.175 -1.526,6.501 ; -2.8,6.175 -3.092,6.467 ; 2.8,6.825 3.125,7.15 ; 2,6.825 2,7.254 ; -2,6.825 -2.325,7.15 ; -2.8,6.825 -2.8,6.876 -3.125,7.201
  TOP keep-out region: -0.889,0.762 -0.889,7.493 -4.953,7.493 -4.953,0.762
  TOP keep-out region: 4.953,0.762 4.953,7.493 0.889,7.493 0.889,0.762
  TOP keep-out region: -1.016,-7.239 -1.016,-0.508 -5.08,-0.508 -5.08,-7.239
  TOP keep-out region: 4.953,-7.239 4.953,-0.508 0.889,-0.508 0.889,-7.239
  silkscreen extent -7.37,-8.5 6,9.91